# Altium PCB GameBoard_V1I1.PcbDoc (part 3 of 22) (continued)
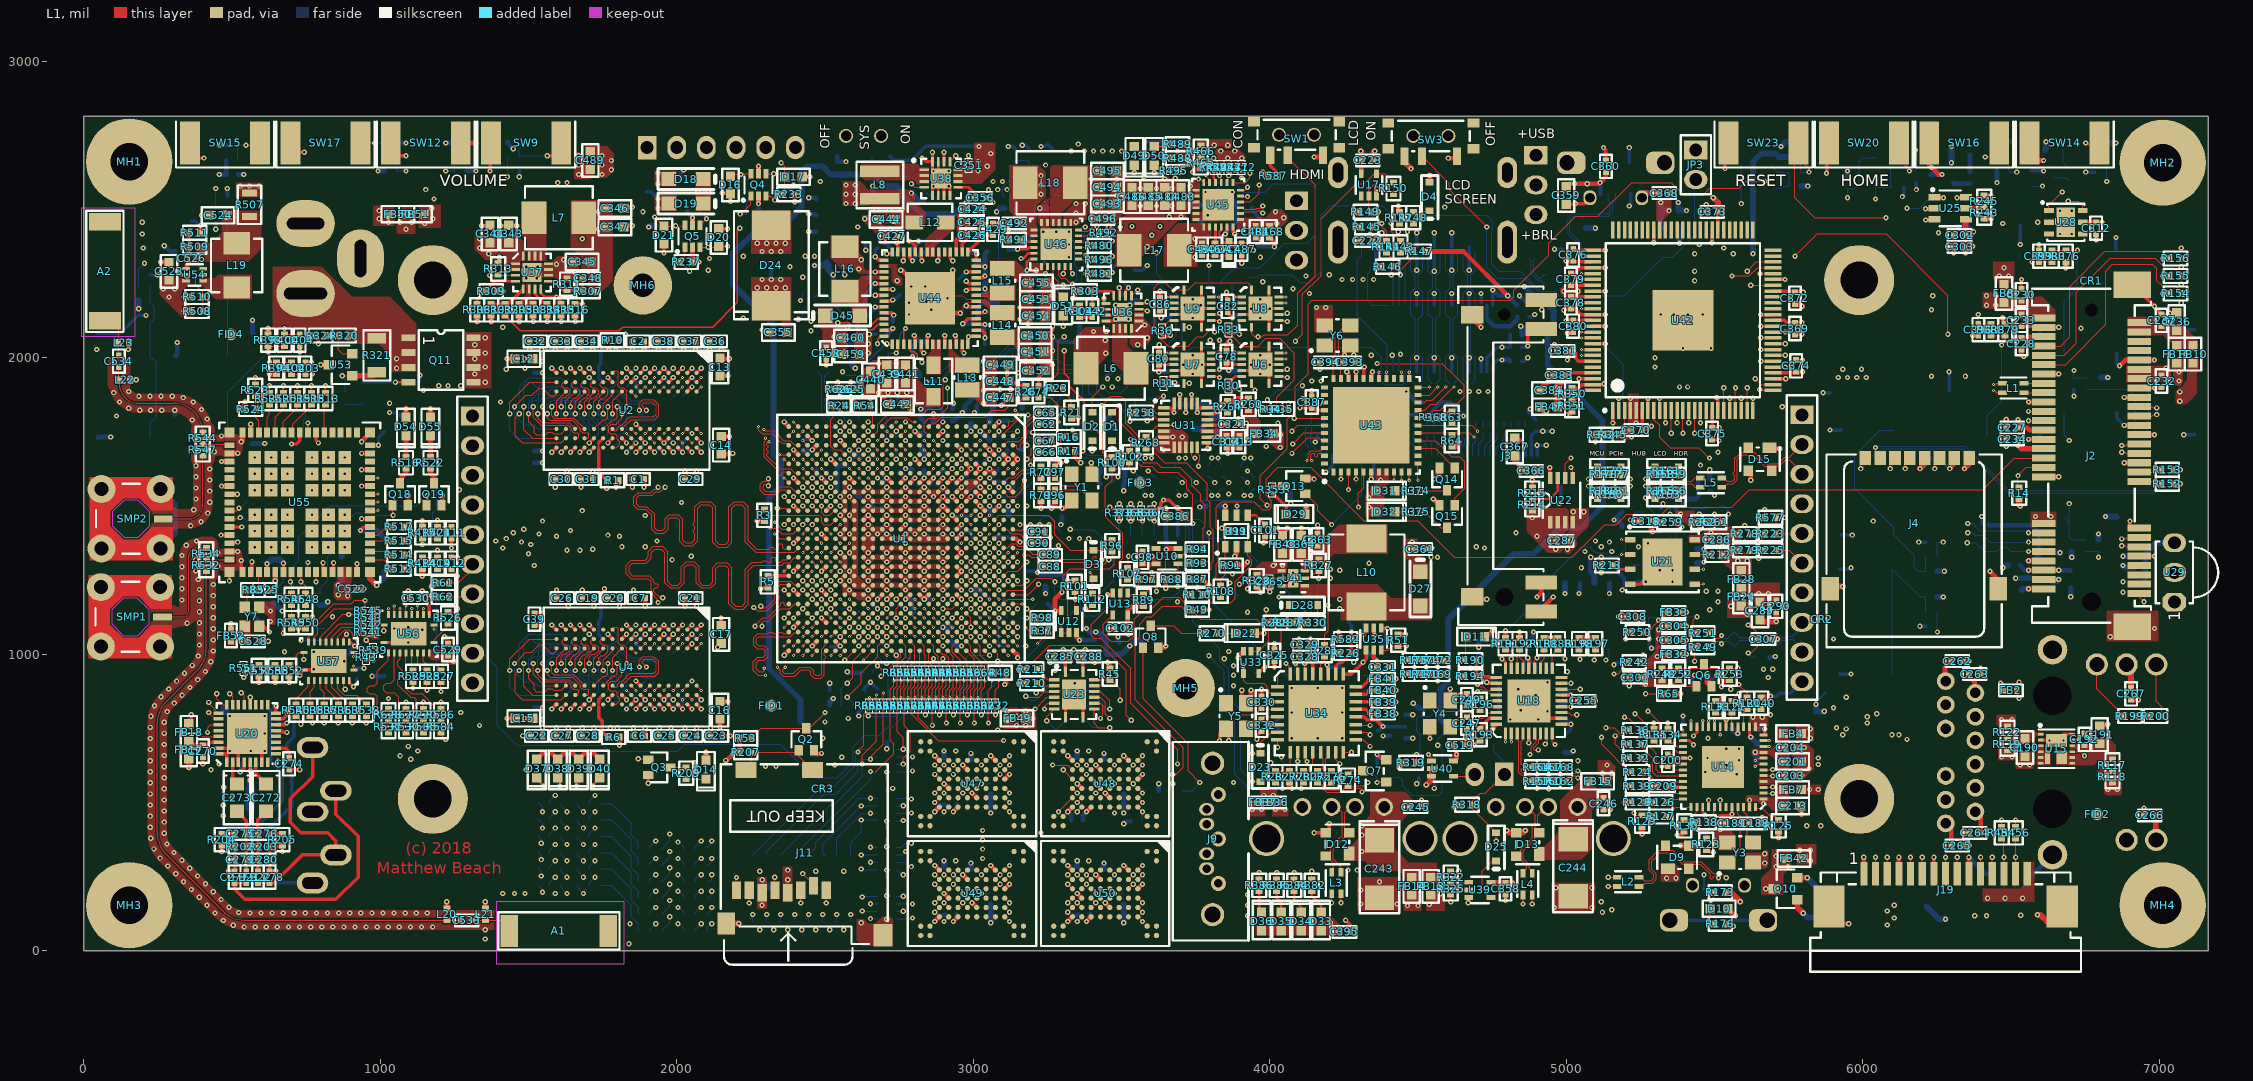
[diagram p0: L1 view]
## Components (designator, comment, footprint, x,y, rotation, side; value= is the part's Value field where it differs from the comment) (continued)
R260 "0R" R0402 3929.13,1842.52 r90 top
R261 "10k" R0402 5500,1444.88 r0 top
R262 "0R" R0402 5460.63,1444.88 r180 top
R263 "10k" R0402 5464.57,1594.49 r180 bottom
R264 "10k" R0402 3858.27,1834.65 r270 top
R265 "10k" R0402 5295.28,1307.09 r180 bottom
R266 "10k" R0402 3724.41,1759.84 r180 bottom
R267 "0R" R0402 5208.66,1480.31 r180 bottom
R268 "0R" R0402 3582.68,1712.6 r90 top
R269 "10k" R0402 3937.01,937.01 r0 bottom
R270 "240R" R0402 3803.15,1070.87 r180 top
R271 "0R" R0402 3937.01,984.25 r0 bottom
R272 "24k" R0402 4362.2,610.24 r90 bottom
R273 "0R" R0402 3685.04,539.37 r180 bottom
R274 "1k5" R0402 4263.78,574.8 r270 top
R275 "33R" R0402 4161.42,586.61 r270 top
R276 "33R" R0402 4208.66,586.61 r270 top
R277 "4k99" R0402 4066.93,586.61 r270 top
R278 "4k99" R0402 5602.36,1405.51 r180 top
R279 "4k99" R0402 5602.36,1350.39 r180 top
R280 "0R" R0402 4114.17,586.61 r270 top
R281 "0R" R0402 4185.04,1011.81 r90 top
R282 "0R" R0402 4019.69,586.61 r270 top
R283 "4k99" R0402 4019.69,586.61 r90 bottom
R284 "3k" R0402 4255.91,594.49 r0 bottom
R285 "0R" R0402 4216.54,594.49 r180 bottom
R286 "0R" R0402 3968.5,645.67 r270 bottom
R287 "0R" R0402 4059.06,1106.3 r0 top
R288 "0R" R0402 4019.69,1106.3 r180 top
R289 "0R" R0402 4362.2,1003.94 r0 bottom
R290 "100k" R0402 4295.28,787.4 r0 bottom
R291 "100k" R0402 4295.28,834.65 r0 bottom
R292 "100k" R0402 4295.28,881.89 r0 bottom
R293 "100k" R0402 4295.28,929.13 r0 bottom
R294 "0R" R0402 3496.06,2291.5 r90 bottom
R295 "10k" R0402 3614.17,2090.55 r270 bottom
R296 "82k" R0402 3405.51,2137.8 r270 bottom
R297 "150k" R0402 3543.31,2275.59 r270 bottom
R298 "100k" R0402 3614.17,2177.17 r270 bottom
R299 "0R" R0402 3511.81,1972.44 r270 bottom
R300 "63k4" R0402 3358.27,2137.8 r90 bottom
R301 "0R" R0402 3464.57,1972.44 r270 bottom
R302 "0R" R0402 3503.94,2192.91 r90 bottom
R303 "0R" R0402 3377.95,2224.41 r0 top
R304 "100k" R0402 3358.27,2157.48 r270 top
R305 "0R" R0402 1468.5,2161.42 r270 top
R306 "10k" R0402 1326.77,2161.42 r270 top
R307 "390k" R0402 1700.79,2224.41 r0 top
R308 "150k" R0402 1515.75,2161.42 r90 top
R309 "100k" R0402 1374.02,2224.41 r180 top
R310 "47k" R0402 1374.02,2161.42 r90 top
R311 "86k6" R0402 1629.92,2248.03 r270 top
R312 "0R" R0402 1421.26,2161.42 r270 top
R313 "10k" R0402 1397.64,2299.21 r270 top
R314 "0R" R0402 1562.99,2161.42 r90 top
R315 "0R" R0402 1610.24,2161.42 r90 top
R316 "100k" R0402 1657.48,2161.42 r90 top
R317 "100k" R0402 2830.71,2548.23 r270 bottom
R318 "100k" R0402 4665.35,492.13 r180 top
R319 "100k" R0402 4476.38,633.86 r180 top
R320 "11k8" R0402 877.95,2074.8 r0 top
R321 "1k, 1206, 0.5W" R1206 988.19,2007.87 r90 top
R322 "0R" R0402 4610.24,248.03 r90 top
R323 "10k" R0402 881.89,1862.2 r270 bottom
R324 "10k5" R0402 799.21,2074.8 r0 top
R325 "0R" R0402 4610.24,208.66 r270 top
R326 "10k" R0402 4736.22,692.91 r0 bottom
R327 "47k" R0402 4165.35,1299.21 r90 top
R328 "3.3" R0402 3956.69,1248.03 r90 top
R329 "0R" R0402 4145.67,1106.3 r180 bottom
R330 "0R" R0402 4145.67,1106.3 r0 top
R331 "33" R0201 4484.25,1755.91 r270 bottom
R332 "33" R0201 4460.63,1755.91 r270 bottom
R333 "33" R0201 4437.01,1755.91 r270 bottom
R334 "33" R0201 4413.39,1755.91 r270 bottom
R335 "33" R0201 4389.76,1755.91 r270 bottom
R336 "33" R0201 4366.14,1755.91 r270 bottom
R337 "33" R0201 4342.52,1755.91 r270 bottom
R338 "33" R0201 4318.9,1755.91 r270 bottom
R339 "33" R0201 4673.23,1755.91 r270 bottom
R340 "33" R0201 4649.61,1755.91 r270 bottom
R341 "33" R0201 4625.98,1755.91 r270 bottom
R342 "0R" R0402 5118.11,1740.16 r0 top
R343 "33" R0201 4602.36,1755.91 r270 bottom
R344 "33" R0201 4578.74,1755.91 r270 bottom
R345 "0R" R0402 5157.48,1740.16 r180 top
R346 "33" R0201 4555.12,1755.91 r270 bottom
R347 "33" R0201 4531.5,1755.91 r270 bottom
R348 "0R" R0402 5295.28,1826.77 r0 bottom
R349 "33" R0201 4507.87,1755.91 r270 bottom
R350 "0R" R0402 5019.69,1877.95 r270 top
R351 "0R" R0402 5019.69,1838.58 r90 top
R352 "33" R0201 4862.21,1755.91 r270 bottom
R353 "1k" R0201 4007.87,1555.12 r270 top
R354 "33" R0201 4838.58,1755.91 r270 bottom
R355 "33" R0201 4814.96,1755.91 r270 bottom
R356 "33" R0201 4791.34,1755.91 r270 bottom
R357 "33" R0201 4767.72,1755.91 r270 bottom
R358 "33" R0201 4744.1,1755.91 r270 bottom
R359 "33" R0201 4720.47,1755.91 r270 bottom
R360 "33" R0201 4696.85,1755.91 r270 bottom
R361 "33" R0201 4224.41,1745.47 r270 bottom
R362 "33" R0201 4295.28,1745.47 r270 bottom
R363 "33" R0201 4271.65,1745.47 r270 bottom
R364 "33" R0201 4248.03,1745.47 r270 bottom
R365 "47k" R0201 3531.5,1476.38 r90 top
R366 "1k" R0201 3566.93,1476.38 r90 top
R367 "1k" R0201 3602.36,1476.38 r90 top
R368 "10k" R0201 4551.18,1799.21 r0 top
R369 "33" R0201 3602.36,1476.38 r270 bottom
R370 "33" R0201 3566.93,1476.38 r270 bottom
R371 "33" R0201 3531.5,1476.38 r270 bottom
R372 "33" R0201 3492.13,1476.38 r270 bottom
R373 "100k" R0201 3492.13,1476.38 r270 top
R374 "1k" R0201 4492.13,1551.18 r180 top
R375 "1k" R0201 4492.13,1480.31 r180 top
R376 "10k" R0402 6685.04,2342.52 r270 top
R377 "10k" R0402 6704.72,1366.14 r270 bottom
R378 "10k" R0402 6803.15,1913.39 r90 bottom
R379 "10k" R0402 6480.32,2094.49 r90 top
R380 "33R" R0402 6637.8,2342.52 r90 top
R381 "33R" R0402 6751.97,1366.14 r90 bottom
R382 "1k5" R0402 4141.73,220.47 r90 top
R383 "33R" R0402 6755.91,1913.39 r270 bottom
R384 "1k5" R0402 4082.68,220.47 r90 top
R385 "1k5" R0402 4023.62,220.47 r90 top
R386 "1k5" R0402 3964.57,220.47 r90 top
R387 "1k5" R0402 1527.56,610.24 r90 bottom
R388 "33R" R0402 6433.07,2094.49 r270 top
R389 "1k5" R0402 1598.43,610.24 r90 bottom
R390 "1k5" R0402 1669.29,610.24 r90 bottom
R391 "1k5" R0402 1740.16,610.24 r90 bottom
R392 "10k" R0402 464.57,2452.76 r180 bottom
R393 "10k" R0402 622.05,2059.06 r90 top
R394 "10k" R0402 649.61,1964.57 r270 top
R395 "10k" R0402 204.72,2192.91 r180 bottom
R396 "10k" R0402 1448.82,2728.35 r180 bottom
R397 "33R" R0402 1448.82,2677.17 r0 bottom
R398 "33R" R0402 464.57,2500 r0 bottom
R399 "10k" R0402 1271.65,2724.41 r180 bottom
R400 "33R" R0402 677.17,2059.06 r270 top
R401 "33R" R0402 1271.65,2673.23 r0 bottom
R402 "33R" R0402 700.79,1964.57 r90 top
R403 "33R" R0402 204.72,2240.16 r0 bottom
R404 "10k" R0402 6803.15,2724.41 r0 bottom
R405 "10k" R0402 6472.44,2728.35 r0 bottom
R406 "10k" R0402 500,2716.54 r180 bottom
R407 "10k" R0402 1035.43,2724.41 r0 bottom
R408 "33R" R0402 6803.15,2673.23 r180 bottom
R409 "33R" R0402 500,2665.35 r0 bottom
R410 "240R" R0402 6696.85,2618.11 r270 bottom
R411 "33R" R0402 6472.44,2677.17 r180 bottom
R412 "33R" R0402 1035.43,2673.23 r180 bottom
R413 "240R" R0402 6362.2,2606.3 r270 bottom
R414 "10k" R0402 1141.73,1307.09 r270 top
R415 "10k" R0402 1141.73,1409.45 r90 top
R416 "10k" R0402 6157.48,2677.17 r0 bottom
R417 "10k" R0402 6181.1,2610.24 r270 bottom
R418 "10k" R0402 5948.82,2586.61 r90 bottom
R419 "33R" R0402 1192.91,1307.09 r90 top
R420 "33R" R0402 6094.49,2657.48 r90 bottom
R421 "33R" R0402 1192.91,1409.45 r270 top
R422 "10k" R0402 6232.28,1192.91 r0 bottom
R423 "10k" R0402 6232.28,1279.53 r0 bottom
R424 "33R" R0402 6232.28,1141.73 r180 bottom
R425 "10k" R0402 5771.65,2728.35 r180 bottom
R426 "100k" R0402 5771.65,2677.17 r180 bottom
R427 "33R" R0402 5771.65,2625.98 r0 bottom
R428 "33R" R0402 6232.28,1330.71 r180 bottom
R429 "0R" R0402 5688.98,2570.87 r180 bottom
R430 "0R" R0402 2417.32,751.97 r90 bottom
R431 "0R" R0402 2996.06,1988.19 r180 bottom
R432 "100k" R0402 2629.92,2139.76 r0 bottom
R433 "100k" R0402 5610.24,2598.43 r0 bottom
R434 "100k" R0402 2870.08,1937.01 r270 bottom
R435 "47k" R0402 2610.24,1988.19 r180 bottom
R436 "47k" R0402 2767.72,1980.31 r90 bottom
R437 "10k" R0402 2771.65,2043.31 r0 bottom
R438 "10k" R0402 2590.55,2070.87 r0 bottom
R439 "0R" R0402 2692.91,2015.75 r180 bottom
R440 "47k" R0402 3488.19,1814.96 r0 bottom
R441 "0R" R0402 2445.3,2215.45 r0 bottom
R442 "0R" R0402 2444.88,2157.48 r0 bottom
R443 "0R" R0402 3566.93,1578.74 r90 bottom
R444 "0R" R0402 3566.93,1618.11 r270 bottom
R445 "0R" R0402 3618.11,1578.74 r90 bottom
R446 "0R" R0402 3618.11,1618.11 r270 bottom
R447 "0R" R0402 3728.35,1578.74 r90 bottom
R448 "0R" R0402 3728.35,1618.11 r270 bottom
R449 "0R" R0402 3681.1,1578.74 r90 bottom
R450 "0R" R0402 3681.1,1618.11 r270 bottom
R451 "10k" R0402 6535.43,212.6 r0 bottom
R452 "10k" R0402 6456.69,212.6 r180 bottom
R453 "0R" R0402 3948.82,1578.74 r90 bottom
R454 "0R" R0402 6468.5,397.64 r270 top
R455 "0R" R0402 3948.82,1618.11 r270 bottom
R456 "0R" R0402 6515.75,397.64 r270 top
R457 "0R" R0402 3901.57,1578.74 r90 bottom
R458 "10k" R0402 6535.43,259.84 r180 bottom
R459 "10k" R0402 6456.69,259.84 r0 bottom
R460 "0R" R0402 3901.57,1618.11 r270 bottom
R461 "0R" R0402 3838.58,1578.74 r90 bottom
R462 "0R" R0402 3838.58,1618.11 r270 bottom
R463 "0R" R0402 3791.34,1578.74 r90 bottom
R464 "0R" R0402 3791.34,1618.11 r270 bottom
R465 "0R" R0402 3767.72,2657.48 r90 top
R466 "0R" R0402 3767.72,2696.85 r90 top
R467 "0R" R0402 3814.96,2366.14 r270 top
R468 "0R" R0402 4000,2425.2 r90 top
R469 "0R" R0402 3909.45,2464.57 r180 bottom
R470 "240R" R0201 3811.02,2641.73 r270 top
R471 "10k" R0201 3881.89,2641.73 r90 top
R472 "10k" R0201 3905.51,2641.73 r90 top
R473 "10k" R0201 3858.27,2641.73 r90 top
R474 "10k" R0201 3834.65,2641.73 r90 top
R475 "0mR" R2512 3582.68,2602.36 r90 bottom locked
R476 "0mR" R2512 3437.01,2602.36 r90 bottom locked
R477 "5.23k" R0402 3141.73,2602.36 r270 bottom
R478 "10k" R0402 3188.98,2602.36 r270 bottom
R479 "0R" R0402 3834.65,2637.8 r0 bottom
R480 "0R" R0402 3425.2,2377.95 r0 top
R481 "0R" R0402 3425.2,2283.46 r180 top
R482 "0R" R0402 3854.33,2248.03 r180 bottom
R483 "10k" R0402 3188.98,2685.04 r270 bottom
R484 "30.1k" R0402 3141.73,2685.04 r270 bottom
R485 "NTC 10K" R0402 3106.3,2523.62 r90 bottom
R486 "3k" R0402 3933.07,2251.97 r270 bottom
R487 "0R" R0402 3854.33,2192.91 r0 bottom
R488 "2k2" R0402 3688.98,2673.23 r0 top
R489 "2k2" R0402 3688.98,2720.47 r0 top
R490 "2k2" R0402 3704.72,2653.54 r0 bottom
R491 "0R" R0402 3137.8,2397.64 r180 top
R492 "240R" R0201 3440.94,2421.26 r180 top
R493 "0R" R0402 3188.98,2267.72 r0 bottom
R494 "10k" R0201 3268.11,2264.76 r0 bottom
R495 "10k" R0201 3675.79,2629.92 r0 top
R496 "0R" R0402 3425.2,2330.71 r180 top
R497 "0R" R0402 3059.05,586.61 r90 bottom
R498 "0R" R0402 3059.06,547.24 r90 bottom
R499 "6k04" R0201 3023.62,1649.61 r0 bottom
R500 "0R" R0402 3507.87,586.61 r90 bottom
R501 "0R" R0402 3507.87,547.24 r90 bottom
R502 "0R" R0402 3059.05,216.54 r90 bottom
R503 "0R" R0402 3059.06,177.17 r90 bottom
R504 "0R" R0402 3507.87,216.54 r90 bottom
R505 "0R" R0402 3507.87,177.17 r90 bottom
R506 "470k" R0402 1110.24,1917.32 r180 bottom
R507 "0R" R0805_SMALL 559.06,2515.75 r90 top
R508 "100k" R0402 381.89,2157.48 r0 top
R509 "200K" R0402 374.02,2374.02 r0 top
R510 "100k" R0402 381.89,2204.72 r0 top
R511 "100k" R0402 374.02,2421.26 r180 top
R512 "22R" R0402 1062.99,1287.4 r180 top
R513 "22R" R0402 814.96,1862.2 r90 top
R514 "22R" R0402 1062.99,1334.65 r180 top
R515 "22R" R0402 1062.99,1381.89 r180 top
R516 "240R" R0402 1086.61,1645.67 r270 top
R517 "22R" R0402 1062.99,1429.13 r180 top
R518 "22R" R0402 767.72,1862.2 r90 top
R519 "22R" R0402 720.47,1862.2 r90 top
R520 "22R" R0402 673.23,1862.2 r90 top
R521 "22R" R0402 625.98,1862.2 r90 top
R522 "240R" R0402 1169.29,1645.67 r270 top
R523 "22R" R0402 578.74,1889.76 r90 top
R524 "10k" R0402 562.99,1826.77 r180 top
R525 "0R" R0402 610.24,1216.54 r180 top
R526 "22R" R0402 1228.35,1122.05 r270 top
R527 "22R" R0402 1204.72,925.2 r90 top
R528 "22R" R0402 1157.48,925.2 r90 top
R529 "22R" R0402 1110.24,925.2 r90 top
R530 "22R" R0402 1086.61,755.91 r90 top
R531 "22R" R0402 1027.56,755.91 r90 top
R532 "0R" R0402 413.39,1299.21 r270 top
R533 "22R" R0402 952.76,811.02 r90 top
R534 "0R" R0402 413.39,1338.58 r270 top
R535 "22R" R0402 905.51,811.02 r90 top
R536 "22R" R0402 858.27,811.02 r90 top
R537 "22R" R0402 811.02,811.02 r90 top
R538 "22R" R0402 763.78,811.02 r90 top
R539 "10k" R0201 976.38,1013.19 r270 top
R540 "22R" R0402 716.54,811.02 r90 top
R541 "10k" R0201 959.25,1074.8 r0 top
R542 "10k" R0201 959.25,1098.43 r0 top
R543 "10k" R0201 959.25,1122.05 r0 top
R544 "0R" R0402 401.57,1728.35 r90 top
R545 "10k" R0201 959.25,1145.67 r0 top
R546 "22R" R0402 700.79,1185.04 r90 top
R547 "0R" R0402 401.57,1688.98 r90 top
R548 "22R" R0402 748.03,1185.04 r90 top
R549 "100k" R0402 700.79,1106.3 r90 top
R550 "100k" R0402 748.03,1106.3 r90 top
R551 "33" R0201 539.37,952.76 r90 top
R552 "1k5" R0402 692.91,944.88 r90 top
R553 "100k" R0402 700.79,1185.04 r270 bottom
R554 "100k" R0402 748.03,1185.04 r270 bottom
R555 "100k" R0402 641.73,1192.91 r270 bottom
R556 "100k" R0402 795.28,1185.04 r270 bottom
R557 "1k5" R0402 590.55,944.88 r270 top
R558 "1k5" R0402 645.67,944.88 r270 top
R559 "0R" R0402 1685.04,330.71 r0 bottom
R560 "0R" R0402 1724.41,385.83 r180 bottom
R561 "0R" R0402 1685.04,385.83 r0 bottom
R562 "0R" R0402 1590.55,220.47 r180 bottom
R563 "0R" R0402 1551.18,220.47 r0 bottom
R564 "0R" R0402 1590.55,330.71 r180 bottom
R565 "0R" R0402 1551.18,330.71 r0 bottom
R566 "0R" R0402 1590.55,385.83 r180 bottom
R567 "0R" R0402 1551.18,385.83 r0 bottom
R568 "0R" R0402 1590.55,496.06 r180 bottom
R569 "0R" R0402 1551.18,496.06 r0 bottom
R570 "0R" R0402 1590.55,275.59 r180 bottom
R571 "0R" R0402 1551.18,275.59 r0 bottom
R572 "0R" R0402 1590.55,440.94 r180 bottom
R573 "0R" R0402 1551.18,440.94 r0 bottom
R574 "5.23k" R0402 3551.18,437.01 r180 bottom
R575 "0R" R0805_SMALL 4551.18,1850.39 r180 bottom
R576 "0R" R0402 5688.98,1460.63 r0 bottom
R577 "0R" R0402 5688.98,1460.63 r0 top
R578 "0R" R0402 2303.15,78.74 r270 bottom
R579 "0R" R0402 2350.39,78.74 r270 bottom
R580 "0R" R0402 1724.41,496.06 r180 bottom
R581 "0R" R0402 2500,1688.98 r0 bottom
R582 "100k" R0402 4255.91,1051.18 r0 top
R583 "100k" R0402 4456.69,736.22 r90 bottom
R584 "22R" R0402 1204.72,755.91 r90 top
R585 "22R" R0402 1145.67,755.91 r90 top
R586 "22R" R0402 1204.72,795.28 r270 top
R587 "10k" R0201 4011.81,2614.17 r180 top
R588 "0R" R0402 2397.64,78.74 r270 bottom
R589 "0R" R0402 5196.85,1826.77 r180 bottom
R590 "100k" R0201 2677.17,1614.17 r0 bottom
R591 "0R" R0402 1889.76,66.93 r0 bottom
R592 "0R" R0402 1929.13,66.93 r180 bottom
R593 "0R" R0402 1889.76,177.17 r0 bottom
R594 "0R" R0402 1929.13,177.17 r180 bottom
R595 "0R" R0402 1889.76,232.28 r0 bottom
R596 "0R" R0402 1929.13,232.28 r180 bottom
R597 "0R" R0402 1889.76,342.52 r0 bottom
R598 "0R" R0402 1929.13,342.52 r180 bottom
R599 "0R" R0402 1889.76,122.05 r0 bottom
R600 "0R" R0402 1929.13,122.05 r180 bottom
R601 "0R" R0402 1889.76,287.4 r0 bottom
R602 "0R" R0402 1929.13,287.4 r180 bottom
R603 "0R" R0402 2082.68,66.93 r180 bottom
R604 "0R" R0402 2043.31,66.93 r0 bottom
R605 "0R" R0402 2082.68,177.17 r180 bottom
R606 "0R" R0402 2043.31,177.17 r0 bottom
R607 "0R" R0402 2082.68,232.28 r180 bottom
R608 "0R" R0402 2043.31,232.28 r0 bottom
R609 "0R" R0402 2082.68,342.52 r180 bottom
R610 "0R" R0402 2043.31,342.52 r0 bottom
R611 "0R" R0402 2082.68,122.05 r180 bottom
R612 "0R" R0402 2043.31,122.05 r0 bottom
R613 "0R" R0402 2082.68,287.4 r180 bottom
R614 "0R" R0402 2043.31,287.4 r0 bottom
R615 "0R" R0402 1685.04,496.06 r0 bottom
R616 "0R" R0402 1724.41,275.59 r180 bottom
R617 "0R" R0402 1685.04,275.59 r0 bottom
R618 "0R" R0402 1724.41,440.95 r180 bottom
R619 "0R" R0402 1685.04,440.95 r0 bottom
R620 "0R" R0402 2700.79,1917.32 r180 bottom
R621 "0R" R0402 2661.42,1917.32 r0 bottom
R622 "0R" R0402 2814.96,1917.32 r90 bottom
R623 "0R" R0402 814.96,1066.93 r90 bottom
R624 "0R" R0402 814.96,1106.3 r270 bottom
R625 "100k" R0402 2586.61,1893.7 r0 top
R626 "0R" R0402 2547.24,1893.7 r180 top
R627 "22R" R0402 1086.61,795.28 r270 top
R628 "22R" R0402 1027.56,795.28 r270 top
R629 "0R" R0402 2492.13,78.74 r270 bottom
R630 "0R" R0402 2539.37,78.74 r270 bottom
R631 "0R" R0402 2444.88,78.74 r270 bottom
R632 "0R" R0402 2586.61,78.74 r270 bottom
R633 "0R" R0402 2444.88,303.15 r270 bottom
R634 "0R" R0402 2539.37,303.15 r270 bottom
R635 "0R" R0402 2350.39,303.15 r270 bottom
R636 "0R" R0402 2303.15,303.15 r270 bottom
R637 "0R" R0402 2255.91,78.74 r270 bottom
R638 "0R" R0402 2586.61,303.15 r270 bottom
R639 "0R" R0402 2397.64,303.15 r270 bottom
R640 "0R" R0402 2255.91,303.15 r270 bottom
R641 "0R" R0402 2492.13,303.15 r270 bottom
R642 "4k99" R0201 2767.72,826.77 r270 top
R643 "4k99" R0201 2909.45,937.01 r270 top
R644 "4k99" R0201 2838.58,826.77 r270 top
R645 "4k99" R0201 2885.83,937.01 r270 top
R646 "4k99" R0201 2885.83,826.77 r270 top
R647 "4k99" R0201 2862.2,826.77 r270 top
R648 "4k99" R0201 2862.2,937.01 r270 top
R649 "4k99" R0201 2814.96,937.01 r270 top
R650 "4k99" R0201 2838.58,937.01 r270 top
R651 "4k99" R0201 2673.23,826.77 r270 top
R652 "4k99" R0201 2696.85,826.77 r270 top
R653 "4k99" R0201 2744.09,826.77 r270 top
R654 "4k99" R0201 2791.34,937.01 r270 top
R655 "4k99" R0201 2720.47,826.77 r270 top
R656 "4k99" R0201 2649.61,826.77 r270 top
R657 "4k99" R0201 2744.09,937.01 r270 top
R658 "4k99" R0201 2933.07,937.01 r270 top
R659 "4k99" R0201 2980.32,937.01 r270 top
R660 "4k99" R0201 3003.94,826.77 r270 top
R661 "4k99" R0201 2956.69,937.01 r270 top
R662 "4k99" R0201 3027.56,826.77 r270 top
R663 "4k99" R0201 2956.69,826.77 r270 top
R664 "4k99" R0201 3027.56,937.01 r270 top
R665 "4k99" R0201 2909.45,826.77 r270 top
R666 "4k99" R0201 3003.94,937.01 r270 top
R667 "4k99" R0201 2767.72,937.01 r270 top
R668 "4k99" R0201 2980.32,826.77 r270 top
R669 "4k99" R0201 2814.96,826.77 r270 top
R670 "4k99" R0201 2933.07,826.77 r270 top
R671 "4k99" R0201 2791.34,826.77 r270 top
R672 "4k99" R0201 3074.8,826.77 r270 top
R673 "4k99" R0201 3051.18,826.77 r270 top
R674 "0R" R0402 2614.17,1771.65 r90 bottom
R675 "0R" R0402 570.87,1106.3 r180 bottom
R676 "0R" R0402 570.87,1161.42 r180 bottom
R677 "100k" R0402 2740.16,2610.24 r180 bottom
R678 "100k" R0402 4555.12,881.89 r0 bottom
R679 "0R" R0402 4669.29,767.72 r90 bottom
RN1 "EXB-D10C103J" EXB-D10C103J 2708.66,476.38 r0 bottom
RN2 "EXB-D10C103J" EXB-D10C103J 2708.66,641.73 r0 bottom
RN3 "EXB-D10C103J" EXB-D10C103J 2708.66,145.67 r0 bottom
RN4 "EXB-D10C103J" EXB-D10C103J 2708.66,311.02 r0 bottom
SMP1 "Coax Conn" SMP-F 157.48,1125.98 r90 top
SMP2 "Coax Conn" SMP-F 159.45,1456.69 r90 top
SW1 "SSSS811101" SSSS811101 4090.55,2751.97 r180 top
SW2 "SSSS811101" SSSS811101 2629.92,2748.03 r0 bottom
SW3 "SSSS811101" SSSS811101 4543.31,2748.03 r180 top locked
SW4 "TL3301SPF160QG" TACT_SMD_PLUNGER 6767.72,2188.98 r90 bottom
SW5 "TL3301SPF160QG" TACT_SMD_PLUNGER 6767.72,1637.8 r90 bottom
SW6 "TL3301SPF160QG" TACT_SMD_PLUNGER 7031.5,1917.32 r90 bottom
SW7 "TL3301SPF160QG" TACT_SMD_PLUNGER 6507.87,1913.39 r90 bottom locked
SW8 "TL3301SPF160QG" TACT_SMD_PLUNGER 397.64,2182.09 r270 bottom locked
SW9 "KSS331GLFS" TACT_SMD_RA 1492.13,2724.41 r0 top
SW10 "TL3301SPF160QG" TACT_SMD_PLUNGER 397.64,1630.91 r270 bottom locked
SW11 "TL3301SPF160QG" TACT_SMD_PLUNGER 659.45,1906.5 r270 bottom locked
SW12 "KSS331GLFS" TACT_SMD_RA 1153.54,2724.41 r0 top
SW13 "TL3301SPF160QG" TACT_SMD_PLUNGER 135.83,1906.5 r270 bottom locked
SW14 "KSS331GLFS" TACT_SMD_RA 6681.1,2724.41 r0 top
SW15 "KSS331GLFS" TACT_SMD_RA 476.38,2724.41 r0 top
SW16 "KSS331GLFS" TACT_SMD_RA 6342.52,2724.41 r0 top
SW17 "KSS331GLFS" TACT_SMD_RA 814.96,2724.41 r0 top
SW18 "TL3301SPF160QG" TACT_SMD_PLUNGER 1102.36,1102.36 r270 bottom
SW19 "TL3301SPF160QG" TACT_SMD_PLUNGER 1102.36,1574.8 r270 bottom
SW20 "KSS331GLFS" TACT_SMD_RA 6003.94,2724.41 r0 top
SW21 "TL3301SPF160QG" TACT_SMD_PLUNGER 6011.81,1110.24 r270 bottom
SW22 "TL3301SPF160QG" TACT_SMD_PLUNGER 6015.75,1578.74 r270 bottom locked
SW23 "KSS331GLFS" TACT_SMD_RA 5665.35,2724.41 r0 top
TP1 "TP_25MILC" TP_25C 3228.35,1662.4 r90 bottom
TP2 "TP_25MILC" TP_25C 4314.96,1098.43 r90 bottom
TP3 "TP_25MILC" TP_25C 3299.21,1409.45 r90 bottom
TP4 "TP_25MILC" TP_25C 3220.47,1783.46 r90 bottom
TP5 "TP_25MILC" TP_25C 3338.58,1925.2 r90 bottom
TP6 "TP_25MILC" TP_25C 3248.03,1877.95 r90 bottom
TP7 "TP_25MILC" TP_25C 3295.28,1877.95 r90 bottom
TP8 "TP_25MILC" TP_25C 3338.58,1877.95 r90 bottom
TP9 "TP_25MILC" TP_25C 5874.02,870.08 r180 bottom
TP10 "TP_25MILC" TP_25C 5413.39,401.57 r90 bottom
TP11 "TP_25MILC" TP_25C 5688.98,358.27 r90 bottom
TP12 "TP_25MILC" TP_25C 653.94,767.72 r90 bottom
TP13 "TP_25MILC" TP_25C 653.54,732.28 r90 bottom
TP14 "TP_25MILC" TP_25C 3267.72,854.33 r180 bottom
TP15 "TP_25MILC" TP_25C 3413.39,818.9 r180 bottom
TP16 "TP_25MILC" TP_25C 3265.75,899.61 r180 bottom
TP17 "TP_25MILC" TP_25C 3277.56,748.03 r180 bottom
TP18 "TP_25MILC" TP_25C 3893.7,1196.85 r0 bottom
TP19 "TP_25MILC" TP_25C 4051.18,929.13 r90 bottom
TP20 "TP_25MILC" TP_25C 4094.49,929.13 r90 bottom
TP21 "TP_25MILC" TP_25C 1897.64,2559.06 r270 bottom
TP22 "TP_25MILC" TP_25C 2318.9,2299.21 r270 bottom
TP23 "TP_25MILC" TP_25C 2889.76,2539.37 r270 bottom
TP24 "TP_25MILC" TP_25C 1094.49,1795.28 r90 bottom
TP25 "TP_25MILC" TP_25C 3944.88,2519.68 r90 bottom
TP26 "TP_25MILC" TP_25C 362.2,2460.63 r90 bottom
TP27 "TP_25MILC" TP_25C 3082.68,2185.04 r270 bottom
TP28 "TP_25MILC" TP_25C 354.33,767.72 r270 bottom
TP29 "TP_25MILC" TP_25C 3566.93,1043.31 r270 bottom
TP30 "TP_25MILC" TP_25C 2889.76,2397.64 r270 bottom
TP31 "TP_25MILC" TP_25C 3905.51,1291.34 r270 bottom
TP32 "TP_25MILC" TP_25C 2746.68,1850.39 r270 bottom
TP33 "TP_25MILC" TP_25C 2625.98,755.91 r90 bottom
TP34 "TP_25MILC" TP_25C 3066.93,1921.26 r270 bottom
TP35 "TP_25MILC" TP_25C 3070.87,2137.8 r270 bottom
TP36 "TP_25MILC" TP_25C 3047.24,2358.27 r270 bottom
TP37 "TP_25MILC" TP_25C 2496.06,2043.31 r180 bottom
TP38 "TP_25MILC" TP_25C 2641.73,2271.65 r270 bottom
TP39 "TP_25MILC" TP_25C 3692.91,2043.31 r270 bottom
TP40 "TP_25MILC" TP_25C 2507.87,2208.66 r90 bottom
TP41 "TP_25MILC" TP_25C 2507.87,2153.54 r90 bottom
TP42 "TP_25MILC" TP_25C 2476.38,1952.76 r90 bottom
TP43 "TP_25MILC" TP_25C 2511.81,1948.82 r90 bottom
TP44 "TP_25MILC" TP_25C 3826.77,2566.93 r270 bottom
TP45 "TP_25MILC" TP_25C 3767.72,2633.86 r270 bottom
TP46 "TP_25MILC" TP_25C 3909.45,2417.32 r270 bottom
TP47 "TP_25MILC" TP_25C 3688.98,2728.35 r270 bottom
TP48 "TP_25MILC" TP_25C 3944.88,2657.48 r270 bottom
TP49 "TP_25MILC" TP_25C 3897.64,2637.8 r270 bottom
TP50 "TP_25MILC" TP_25C 3429.13,2401.57 r270 bottom
TP51 "TP_25MILC" TP_25C 3421.26,2574.8 r270 bottom
TP52 "TP_25MILC" TP_25C 4389.76,1062.99 r90 bottom
TP53 "TP_25MILC" TP_25C 4267.72,1106.3 r90 bottom
TP54 "TP_25MILC" TP_25C 4362.2,744.09 r90 bottom
TP55 "TP_25MILC" TP_25C 4232.28,956.69 r90 bottom
TP56 "TP_25MILC" TP_25C 4062.99,1892.72 r90 bottom
TP57 "TP_25MILC" TP_25C 559.06,1440.94 r90 bottom
TP58 "TP_25MILC" TP_25C 551.18,1515.75 r90 bottom
TP59 "TP_25MILC" TP_25C 783.46,1279.53 r90 bottom
TP60 "TP_25MILC" TP_25C 744.09,1279.53 r90 bottom
TP61 "TP_25MILC" TP_25C 2708.66,1775.59 r90 bottom
U1 "MCIMX6Q5EYM10AC_v.ORX" PBGA624 2755.91,1389.76 r270 top locked
U2 "MT41J128M16JT-125:KTR" 96_FPGA_DD3_14MMX10MM-SMALL_SIZE 1830.71,1822.83 r270 top locked
U3 "MT41J128M16JT-125:KTR" 96_FPGA_DD3_14MMX10MM-SMALL_SIZE 1830.71,1822.83 r90 bottom locked
U4 "MT41J128M16JT-125:KTR" 96_FPGA_DD3_14MMX10MM-SMALL_SIZE 1830.71,956.69 r270 top locked
U5 "MT41J128M16JT-125:KTR" 96_FPGA_DD3_14MMX10MM-SMALL_SIZE 1830.71,956.69 r90 bottom locked
U6 "HD3SS3411IRWAR" QFN50P330X330X80_HS-15N 3968.5,1976.38 r0 top locked
U7 "HD3SS3411IRWAR" QFN50P330X330X80_HS-15N 3740.16,1976.38 r0 top locked
U8 "HD3SS3411IRWAR" QFN50P330X330X80_HS-15N 3968.5,2165.35 r0 top locked
U9 "HD3SS3411IRWAR" QFN50P330X330X80_HS-15N 3740.16,2165.35 r0 top locked
U10 "SN74AHC1G09DCKR" SC70_5 3653.54,1330.71 r180 top
U11 "TPS3808G09DBVRG4" DBV_SOT_23_6 3887.8,1415.35 r90 top locked value=TPS3808G09DBVR
U12 "SN74LVC1G08DCKR" SC70_5 3322.83,1110.24 r90 top
U13 "SN74AHC1G09DCKR" SC70_5 3496.06,1169.29 r270 top
U14 "KSZ9031RNXIA" QFN48_SMALL_EP_7MMX7MM 5529.53,619.68 r180 top
U15 "MIC33050-4YHL TR" MLF_3X3_12PINS 6653.54,681.1 r0 top
U16 "CM2020-00TR" TSSOP_38 4574.8,2064.96 r90 bottom locked
U17 "SN74LVC1G17DCKR" SC70_5 4334.65,2582.68 r90 top
U18 "USB2514BI-AEZG" QFN36_6MMX6MM 4874.02,842.52 r90 top
U19 "MIC2026-1YM TR" 8_SOIC_3.9MM 5070.87,1129.92 r90 bottom
U20 "SGTL5000XNAA3R2" "QFN32 5X5X0.85_V1.1" 551.18,732.28 r90 top
U21 "SST26VF032B-104I/MF" WSON8_6X5MM 5324.8,1311.22 r0 top locked
U22 "BR24L02FVM-WTR" "MSOP8 _SMALLER" 4984.25,1519.69 r90 top
U23 "SN74AVC4T245RGYR" "RGY (R-PVQFN-N16)" 3340.55,864.17 r270 top
U24 "SN74LVC1G08DCKR" SC70_5 5228.35,944.88 r0 bottom
U25 "TMP101NA" SOT23-6_DBV6 6295.28,2503.94 r0 top
U26 "TJA1040T" 8_SOIC_3.9MM 5456.69,1051.18 r0 bottom
U27 "SN74LVC1G08DCKR" SC70_5 5240.16,1098.43 r180 bottom
U28 "SHT21" 6_DFN_3MMX3MM 6685.04,2456.69 r0 top
U29 "TSOP38238" TSOP382 7051.18,1175.59 r180 top
U30 "FXOS8700CQR1" QFN16_3X3MM 5370.08,1452.76 r0 bottom
U31 "FXAS21002CQR1" QFN24_4X4MM 3716.54,1771.65 r0 top
U32 "SN74LVC1G14DCKR" SC70_5 5200.79,1338.58 r270 bottom
U33 "SN74AHC1G09DCKR" SC70_5 3937.01,972.44 r270 top
U34 "LPC1345FHN33,551-ND" HVQFN33_7X7MM 4158.46,801.18 r0 top locked
U35 "TS5A3157DCKR" SC70_6 4350.39,1051.18 r270 top
U36 "ISL8024AIRTAJZ-T7A" 16-TQFN_3MMX3MM_V1.1 3503.94,2153.54 r180 top locked
U37 "ISL8024AIRTAJZ-T7A" 16-TQFN_3MMX3MM_V1.1 1511.81,2287.4 r0 top locked
U38 "TPS62133RGTR" QFN16_3MMX3MM 2891.73,2604.33 r0 top locked
U39 "M74VHC1GT126DF1G" SC70_5 4708.66,204.72 r0 top
U40 "M74VHC1GT126DF1G" SC70_5 4582.68,614.17 r0 top
U41 "TPS61165DRVR" SON65P200X80_HS-7N 4078.74,1255.91 r0 top
U42 "TFP401AIPZPRQ1" TSQFP50P1600X1600X120_HS-101N 5393.7,2125.98 r90 top locked
U43 "PIC18F4550-I/ML" QFN44_8MMX8MM 4342.52,1771.65 r90 top
U44 "MMPF0100NPAEP" "56-VFQFN EP" 2854.33,2200.79 r90 top locked
U45 "BQ25890RTWR" RTW0024H 3826.77,2515.75 r180 top locked
U46 "BQ25892RTWR" RTW0024H 3279.53,2381.89 r90 top locked
U47 "MX30LF4G18AC-XKI" BGA63_9X11MM_FLASH 2996.06,562.99 r270 top locked
U48 "MX30LF4G18AC-XKI" BGA63_9X11MM_FLASH 3444.88,562.99 r270 top locked
U49 "MX30LF4G18AC-XKI" BGA63_9X11MM_FLASH 2996.06,192.91 r270 top locked
U50 "MX30LF4G18AC-XKI" BGA63_9X11MM_FLASH 3444.88,192.91 r270 top locked
U51 "SN74AHC1G09DCKR" SC70_5 4582.68,610.24 r90 bottom
U52 "74AHCT1G04SE-7" SOT353 4460.63,610.24 r180 bottom
U53 "TL431AQDBZR" SOT-23-3-123 866.14,1976.38 r180 top
U54 "TLV62568DRLR" DRL0006A 374.02,2279.53 r0 top
U55 "WL1837MODGIMOCR" MOC0100A 728.35,1511.81 r270 top locked value=Value
U56 "TXS0108ERGYR" RGY0020A 1096.46,1068.9 r270 top locked
U57 "TXS0108ERGYR" RGY0020A 826.77,976.38 r270 top locked
U58 "74AHCT1G04SE-7" SOT353 4562.99,791.34 r0 bottom locked
Y1 "24MHz" ABM8 3366.14,1562.99 r270 top
Y2 "32.768kHz" ABS06 3216.54,1555.12 r270 bottom
Y3 "25.000MHz" ABM8G 5586.61,330.71 r0 top
Y4 "24MHz" ABM8 4574.8,799.21 r270 top
Y5 "7M-12.000MAHE-T" 7M 3885.83,791.34 r270 top
Y6 "7M-20.000MAAJ-T" 7M 4228.35,2074.8 r0 top locked
Y7 "32.768kHz" ASDK2-32.768KHZ-LR-T3 566.93,1125.98 r180 top locked